# KiCad board GDI-4ch.kicad_pcb (continued)
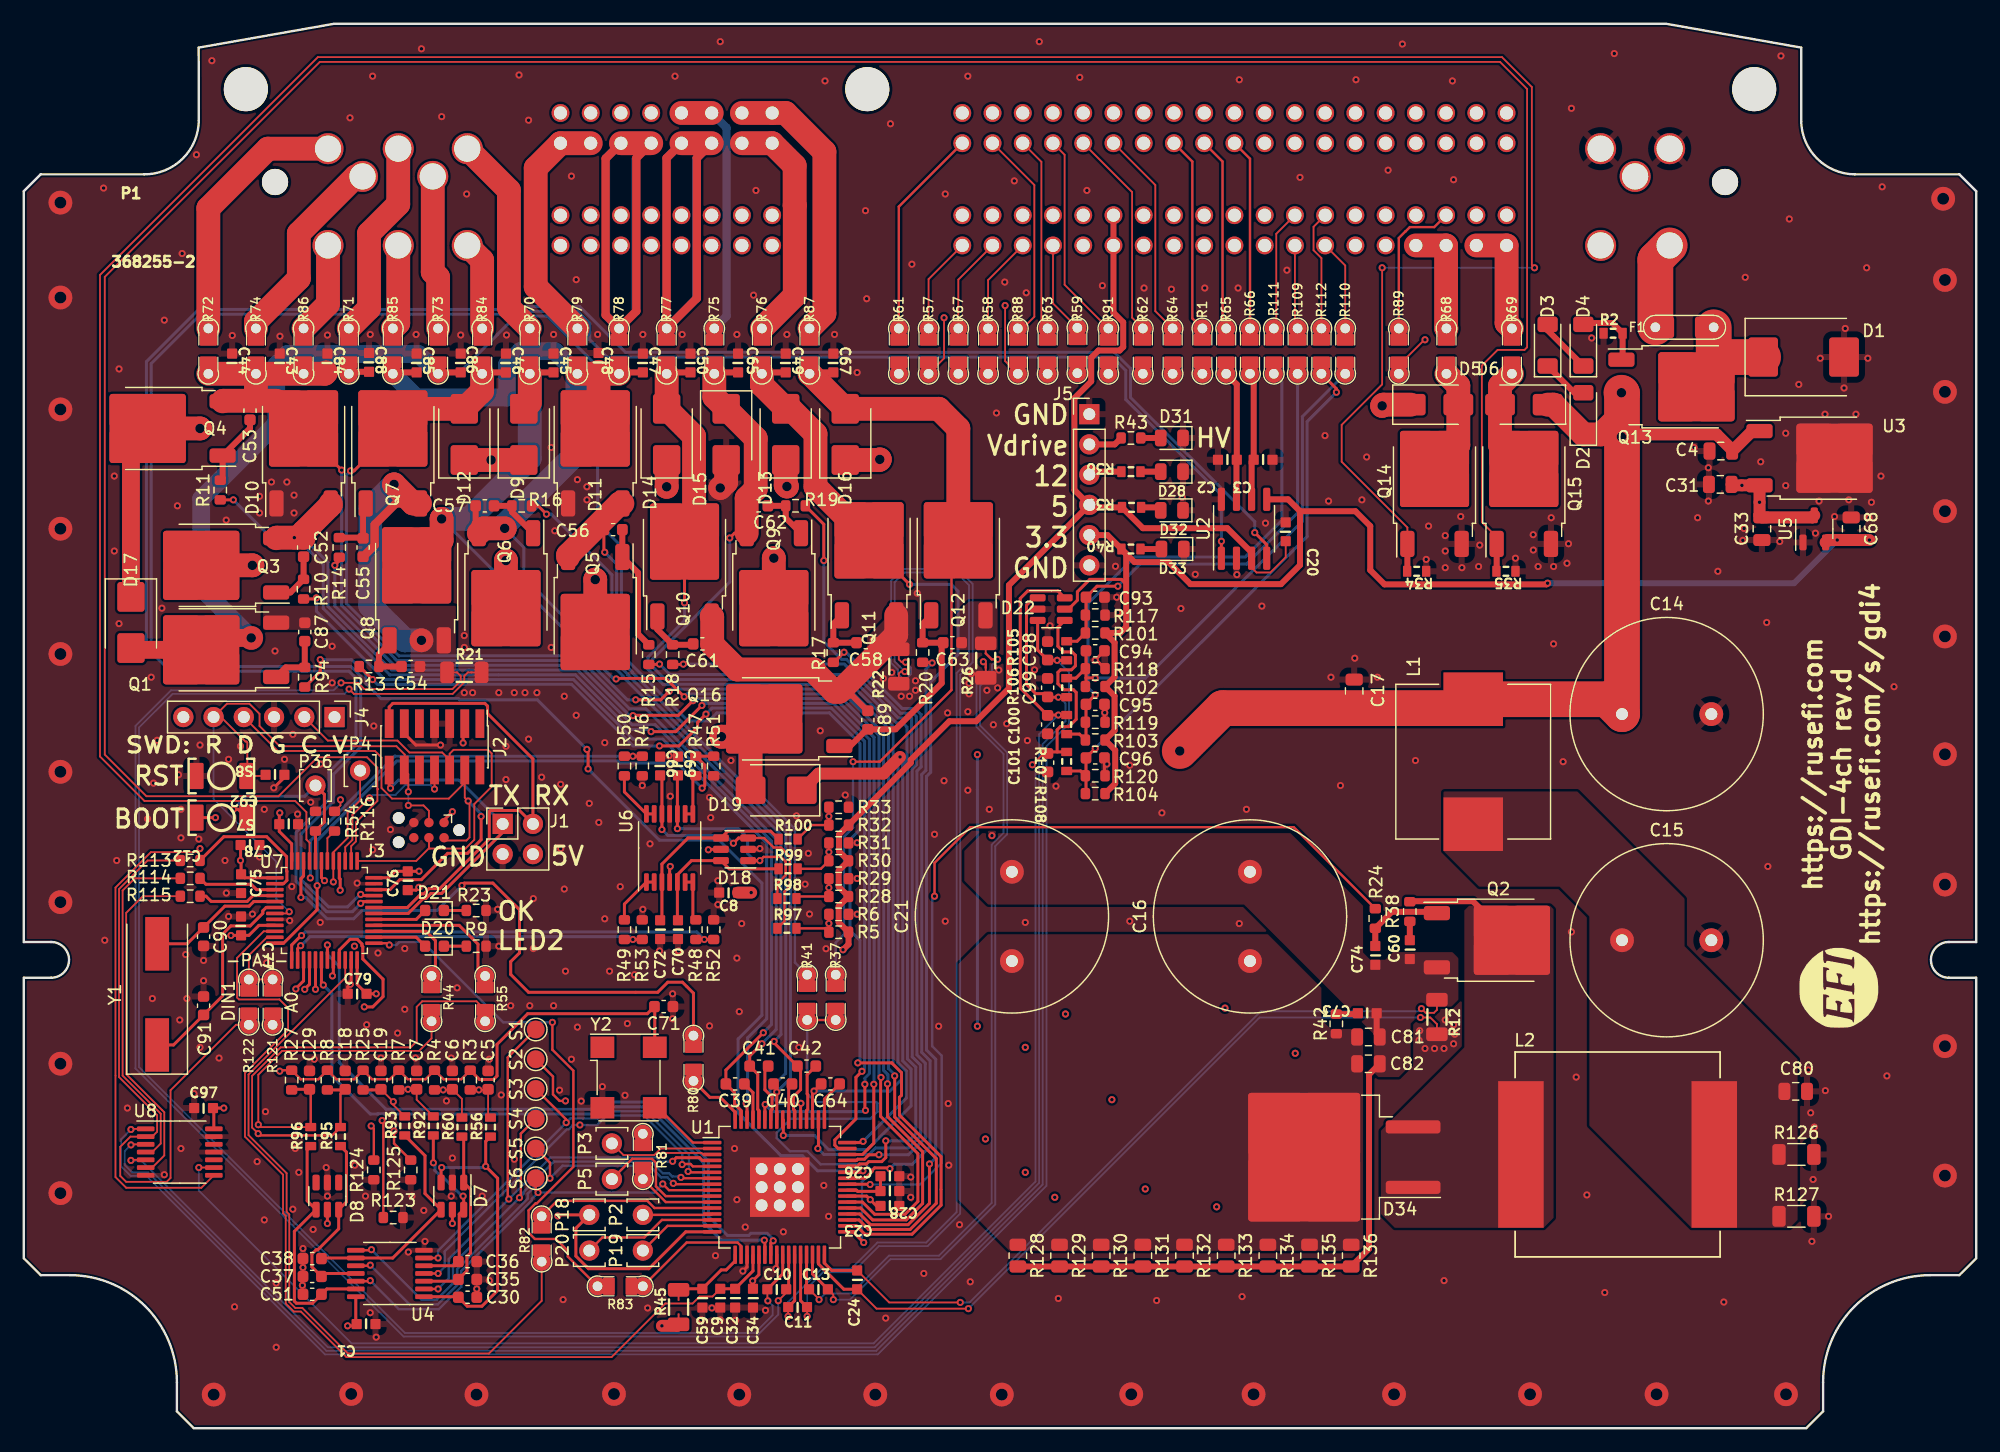
[diagram p0: board, top side]
## Routing (per net, layer and track width the routed paths; a pad name or vN(x,y) marks a point on that pad's centre or on a via; arc(x,y) is an arc through that point) (continued)
/CSB: length 48.8
  Top w0.2: P2.1 57.75,17.93 U1.13
  Top w0.25: U7.20 26,38.08 v1(25.92,38)
  PWR w0.25: P2.1 50.12,19.8 47.03,19.8 46.23,20.6 46.23,21.63 43.16,24.7 31.64,24.7 31.26,24.33 28.84,24.33 26.5,26.67 26.5,35.51 25.92,36.08 v1(25.92,38)
/DBG: length 45.9
  Top w0.2: v1(44.4,34.1) 44.4,31.8 46.16,30.04 46.16,21.96 43.1,18.9 43,18.9 42.4,18.3 42.4,16.43 42.93,15.9 44.7,15.9 45.7,14.9 45.7,14.42 R83.2 ; U7.25 30.55,40.75 v1(30.7,40.6)
  Bottom w0.2: v1(44.4,34.1) 40.27,34.1 33.52,40.85 31.55,40.85 31.3,40.6 v1(30.7,40.6)
/DIN1: length 54.7
  Top w0.15: R122.2 17.82,33.9 12.32,28.4 12.32,21.02 12,20.7 8.6,20.7 8.1,21.2 8.1,23.64 8.96,24.5 U8.2 10.78,24.5 11.2,24.92 11.2,26.3 8,29.5 8,45.3 10.4,47.7 R113.2
/DIN2: length 29.4
  Top w0.15: R114.2 9.32,46.2 8.3,45.18 8.3,29.62 11.5,26.42 11.5,23.92 10.78,23.2 U8.4
/DIN3: length 28.8
  Top w0.15: R115.2 10,44.7 8.6,43.3 8.6,29.75 11.8,26.55 11.8,22.92 10.78,21.9 U8.6
/DIN4: length 81.6
  Top w0.15: v1(14.8,48.7) 14.5,48.4 10.68,48.4 7.7,45.42 7.7,21.1 8.6,20.2 14.91,20.2 U8.8 ; R116.1 26.6,52.32 v1(26.6,52.8)
  PWR w0.15: v1(26.6,52.8) 27,52.4 29.5,52.4 30.28,53.18 30.28,59.3 28.75,60.82 15.49,60.82 14.8,60.13 14.8,58.14 15.32,57.62 15.32,49.22 v1(14.8,48.7)
/DRVEN: length 61.4
  Top w0.15: P3.1 50.37,22.95 52.96,22.95 53.51,23.5 U1.2
  Top w0.2: R123.1 30.2,25.75 v1(30.1,25.85)
  Top w0.25: U7.40 26.5,46.21 26.57,46.14 v1(26.57,45.2)
  PWR w0.25: P3.1 45.63,23.93 43.71,25.85 v1(30.1,25.85) 29.67,25.85 29.54,25.97 29.12,25.97 27.7,27.4 27.7,35.67 28,35.97 28,37.87 27.2,38.67 27.2,42.53 26.57,43.16 v1(26.57,45.2)
/FLAG_0: length 61.6
  Top w0.2: P5.1 51.1,22.63 52.77,22.63 53.1,22.3 53.1,20.32 53.92,19.5 U1.10 ; R125.1 31.1,23.93 v1(31.1,24.97)
  Top w0.25: v1(25.26,46.01) 25,46.26 U7.43
  PWR w0.25: v1(25.26,46.01) 25.26,43.34 26.4,42.2 26.4,38.34 26.5,38.24 26.5,37.76 26.32,37.59 26.32,36.25 26.9,35.67 26.9,26.83 29,24.73 30.85,24.73 v1(31.1,24.97) 31.23,25.1 43.33,25.1 47.5,20.93 P5.1
/FLAG_1: length 44.3
  Top w0.25: v1(28.6,35.4) 29.31,35.4 30.17,36.26 30.17,37.73 28.48,39.42 28.48,40.46 28.4,40.53 28.4,40.69 28.01,41.08 27.4,41.08 26.5,40.18 U7.21
  PWR w0.25: v1(28.6,35.4) 28.1,34.9 28.1,27.56 29.24,26.42 43.78,26.42 45.7,24.5 48.38,24.5 49.38,25.5 51.24,25.5 R81.2
/FLAG_2: length 61.5
  Top w0.15: 43.5,13.9 43.5,10.7 39.08,6.28 27.22,6.28 23.4,10.1 22.81,10.1 22.3,10.61 22.3,17.96 22.08,18.18 22.08,21.42 18.88,24.62 18.88,29.72 27,37.85 U7.22
/H1: length 105.4
  Top w0.25: v1(26.7,80.5) 23.5,83.7 D10.2 ; v1(62,32.3) 60.97,31.28 C41.2 61.65,29.75 61.65,26.79 61.75,26.69 U1.60
  Top w2: Q4.3 16.74,86.32 19,86.32 ; R72.2 25.27,88.6 25.39,88.71 ; R74.2 19.5,86.51 19.32,86.32 21.18,86.32 D10.2
  Bottom w0.25: v1(26.7,80.5) 26.7,69.13 31.33,64.5 31.67,64.5 46.83,64.5 50.89,60.44 52.26,60.44 63.2,49.5 63.2,33.5 v1(62,32.3)
/H3: length 113.8
  Top w0.25: v1(63.03,32.5) 63.03,32.37 C42.2 65.25,30.15 65.25,28.45 64.65,27.85 64.65,26.79 64.75,26.69 U1.54
  Top w0.5: R85.2 31.11,88.71 C85.2 ; R78.2 50.11,88.71 C47.2 ; Q6.3 37.95,75.47 C57.1
  Top w2: D11.2 48.28,84.28 C48.2 ; Q6.3 38.63,75.61 v3(40.39,75.61) ; R79.2 R78.2
  Bottom w0.25: v1(63.03,32.5) 63.6,33.07 63.6,49.87 50.33,63.14 50.33,63.19 42,71.52 42,74 v3(40.39,75.61)
  Bottom w1.5: R79.2 44.6,90.49 41.71,90.49 40.6,89.38 40.6,86.6 33,86.6 R85.2
  Bottom w2: R79.2 46.5,82 40.39,75.89 v3(40.39,75.61)
/H5PUMP: length 95.6
  Top w0.25: U1.51 66.25,28.2 v1(66.38,28.33) C64.2 ; v1(59.3,74.8) 59.7,75.2 Q11.3
  Top w0.5: R75.2 58.11,88.71 C65.2
  Top w2: R75.2 58,86.65 D15.1 61.48,83.17 61.48,78.9 60.72,78.14 Q11.3
  Bottom w0.25: v1(66.38,28.33) 72.75,28.33 73.73,29.3 73.73,29.84 73.03,30.54 73.03,58.97 69.1,62.9 53.89,62.9 52.83,63.96 52.83,64.63 59.3,71.1 v1(59.3,74.8)
/IN5: length 230.4
  Top w0.15: v1(19.69,24.75) 19.18,25.26 19.18,29.6 21.58,32 32.5,32 33,32.5 33,35.4 33.47,35.87 38.03,35.87 R55.1 ; v1(117.7,91.45) 117.65,91.45 115.75,89.55 R89.2 ; v1(82.43,94.33) 82.43,89.66 R88.2
  Top w0.2: v1(19.69,24.75) 19.84,24.6 25.9,24.6 R95.2 26.6,28.08 C18.2
  Top w0.25: R8.2 26.95,28.43 C18.2
  PWR w0.15: v1(19.69,24.75) 19.18,25.26 19.18,25.6 9.38,35.4 9.38,86.85 13.67,91.15 15.6,91.15 15.6,91.15 64.65,91.15 64.82,91.32 70.57,91.32 73.07,93.82 77.52,93.82 77.55,93.79 81.89,93.79 v1(82.43,94.33) 82.6,94.5 115.8,94.5 117.7,92.6 v1(117.7,91.45)
/IN6: length 180.3
  Top w0.15: R96.2 19.9,25.3 v1(19.7,25.5) 19.7,29.7 21.7,31.7 33.2,31.7 34.25,32.75 R44.1
  Top w0.2: R96.2 24.1,28.38 C29.2
  Top w0.25: R27.2 22.55,28.48 C29.2
  PWR w0.15: R91.2 90,89.7 86.71,89.7 85.4,91.02 64.94,91.02 64.77,90.85 13.8,90.85 9.68,86.73 9.68,35.52 v1(19.7,25.5)
/IN_A0: length 183.5
  Top w0.15: R6.1 v1(67.62,42.41) R5.2 ; R57.2 77.3,89.9 v1(77.3,93.3)
  Top w0.2: R5.2 67.3,42 R97.2
  PWR w0.15: v1(77.3,93.3) 77.49,93.49 82.33,93.49 83.04,94.2 115.1,94.2 117.18,92.12 117.18,91.23 117.51,90.9 135.27,90.9 137,89.17 137,59.04 114.59,36.63 80.97,36.63 75.19,42.41 v1(67.62,42.41)
/IN_A1: length 189.8
  Top w0.15: R29.1 v1(67.62,45.41) R28.2
  Top w0.2: R28.2 65.08,44.68 R98.2
  PWR w0.15: R67.2 80.4,86.7 92.23,86.7 93.01,87.48 93.01,89.07 93.62,89.68 94.42,89.68 95.1,89 95.1,88 95.8,87.3 97.12,87.3 97.9,88.08 97.9,89.23 98.25,89.58 134.89,89.58 136.1,88.37 136.1,59.41 114.21,37.53 81.37,37.53 70.82,48.08 70.82,49.53 68.12,52.24 67.28,52.24 66.7,51.65 66.7,46.34 v1(67.62,45.41)
/IN_A2: length 184.8
  Top w0.15: R30.2 v1(67.62,48.41) R31.1
  Top w0.2: R99.2 66.95,47 R30.2
  PWR w0.15: v1(67.62,48.41) 67,49.04 67,51.53 67.41,51.94 67.99,51.94 70.53,49.41 70.53,47.95 81.25,37.23 114.34,37.23 136.4,59.29 136.4,88.49 135.01,89.88 98.08,89.88 97.6,89.4 97.6,88.2 97,87.6 96,87.6 95.4,88.2 95.4,89.2 94.52,90.08 93.45,90.08 92.71,89.34 92.71,87.6 92.11,87 82.6,87 R58.2
/IN_A3: length 170.9
  Top w0.15: R32.2 v1(67.62,51.41) R33.1
  Top w0.2: R100.2 66.18,50.68 R32.2
  PWR w0.15: v1(67.62,51.41) 67.62,50.43 81.13,36.93 114.46,36.93 136.7,59.16 136.7,88.9 135.42,90.18 97.62,90.18 97.6,90.2 95.32,90.2 94.82,90.7 93.2,90.7 92.1,89.6 92.1,87.9 91.8,87.6 89.54,87.6 R59.2
/IN_DIN1: length 37.3
  Top w0.25: v1(91.9,70.75) 90.15,70.75 C93.2 89.22,66.87 R101.2 88.47,66.12 R105.2
  Bottom w0.25: v1(91.9,70.75) 93.75,72.6 102.7,72.6 107,76.9 R109.2
/IN_DIN2: length 42.5
  Top w0.25: C94.2 89.22,63.05 ; 89.22,63.05 89.97,63.05 v1(90,63.02) ; 89.22,63.05 89.22,62.37 R102.2 ; R118.2 88.38,63.02 R106.2
  Bottom w0.25: v1(90,63.02) 94.22,63.02 107.4,76.2 107.4,84.99 R110.2
/IN_DIN3: length 45.6
  Top w0.25: v1(90,61.62) 89.22,60.85 C95.2 89.22,57.87 R103.2 88.68,58.32 R107.2
  Bottom w0.25: R111.2 105.67,87.92 105.67,76.27 102.6,73.2 93.29,73.2 89.4,69.31 89.4,62.22 v1(90,61.62)
/IN_DIN4: length 46.3
  Top w0.25: R108.2 88.78,55.22 R120.2 ; R104.2 89.22,53.37 C96.2 89.22,56.35 v1(90,57.12) ; R112.2 110.26,87.34 v1(110.26,87.04)
  Bottom w0.25: v1(110.26,87.04) 107.8,84.58 107.8,74.92 v1(90,57.12)
/IN_INJ1: length 148.8
  Top w0.15: R3.2 v1(38.22,28.43) 38.95,28.43 C5.2 39,26.3 R56.2
  PWR w0.15: R61.2 72.28,89.82 65.49,89.82 65.32,89.65 14.65,89.65 10.9,85.9 10.9,72.5 19.95,63.45 27.82,63.45 29.8,61.47 36.42,61.47 39.7,58.2 39.7,53.75 41.6,51.85 41.6,31.8 v1(38.22,28.43)
/IN_INJ2: length 172.9
  Top w0.15: R60.2 36.8,27.68 C6.2 35.95,28.43 v1(35.22,28.43) R4.2
  PWR w0.15: R62.2 94,87.9 92.5,86.4 76.8,86.4 75.59,87.61 74.54,88.66 74.54,89.02 73.44,90.12 65.37,90.12 65.2,89.95 14.45,89.95 10.6,86.1 10.6,72.38 19.83,63.15 27.7,63.15 29.68,61.17 36.3,61.17 39.4,58.07 39.4,52.2 39,51.8 39,39.34 39.87,38.47 39.87,33.07 v1(35.22,28.43)
/IN_INJ3: length 163.7
  Top w0.15: R7.2 31.55,28.48 v1(32.28,28.48) C7.2 33,27.6 R92.2
  PWR w0.15: v1(32.28,28.48) 37.63,33.83 37.63,38.47 37.9,38.74 37.9,51.1 37.84,51.16 37.84,51.64 39.1,52.9 39.1,57.95 36.17,60.88 29.55,60.88 28.93,61.5 27.19,61.5 26.8,61.88 26.8,61.9 26.6,62.1 20.45,62.1 10.3,72.25 10.3,86.3 14.25,90.25 65.08,90.25 65.24,90.42 84.18,90.42 R63.2
/IN_INJ4: length 180.4
  Top w0.15: C19.2 v1(31.04,27.44) 31.04,27.16 R93.2
  Top w0.25: C19.2 29.95,28.43 R25.2
  PWR w0.15: R64.2 94.69,90.4 93.35,90.4 92.41,89.46 92.41,87.79 91.92,87.3 91.8,87.3 ; 91.8,87.3 91.8,87.3 ; 91.8,87.3 88.4,87.3 86.99,88.71 86.99,89 85.27,90.72 65.12,90.72 64.95,90.55 14.05,90.55 10,86.5 10,72.12 20.33,61.8 26.46,61.8 27.06,61.2 28.8,61.2 29.43,60.58 36.05,60.58 38.8,57.83 38.8,53.16 37.44,51.8 37.44,49.21 37.5,49.15 37.5,38.91 37.23,38.63 37.23,33.99 34.57,31.33 34.23,31.33 31.04,28.14 v1(31.04,27.44)
/IN_INJ5: length 18
  Top w0.15: 83.5,92 84.89,93.39 84.89,104.45 P1.45
/IN_INJ6: length 18.1
  Top w0.15: P1.47 87.43,106.99 87.43,96.07 91.5,92
/IN_PUMP: length 12.4
  Top w0.2: P1.41 118.47,100.92 116.43,100.92 116.08,100.57 116.07,100.57 115.5,100 R89.1
/IRQ: length 50.4
  Top w0.25: U7.46 23.5,46.4 23.28,46.18 v1(23.28,44.6) ; v1(36.8,45.6) 37,45.8 39.4,45.8 41.64,43.56 41.64,39.94 40.9,39.2 40.9,38.13 42.4,36.63 53.25,36.63 54.1,37.47 55.33,37.47 56.25,36.55 R80.2
  Bottom w0.25: v1(23.28,44.6) 23.67,44.6 25.47,42.8 27.7,42.8 28.4,43.5 34.7,43.5 v1(36.8,45.6)
/L1: length 118.4
  Top w0.25: v1(55.47,61.46) 53.93,63 49.8,63 v1(49.75,62.95) ; U1.38 70.45,19 71.47,17.98 74.03,17.98 75.1,19.05 75.1,23.07 71.97,26.2 71.97,29.44 v1(72,29.48)
  Top w0.5: R70.2 42.61,88.71 C45.2
  Top w2: v3(35.09,76.4) 35.09,74.59 Q8.2 ; D9.2 42.5,86.15 R70.2
  Bottom w0.25: v1(72,29.48) 71.83,29.65 71.83,58.21 68.33,61.7 55.71,61.7 v1(55.47,61.46) ; v3(35.09,76.4) 40.09,71.4 41.1,71.4 49.55,62.95 v1(49.75,62.95)
  Bottom w2: R70.2 42.5,81.5 37.4,76.4 v3(35.09,76.4)
/L2: length 127.4
  Top w0.25: v1(54.21,61.91) 53.5,61.2 v1(51.4,61.2) ; Q7.2 31,83.7 27.74,80.44 v1(27.45,80.44) ; U1.37 70.3,18.5 71.3,17.5 74.12,17.5 75.5,18.88 75.5,23.23 72.55,26.19 v1(72.55,28.93)
  Top w0.5: R84.2 38.61,88.71 C46.2
  Top w2: Q7.2 32.65,85.65 D12.2 38.5,87.15 R84.2
  Bottom w0.25: v1(51.4,61.2) 50.7,61.2 47,64.9 31.5,64.9 27.1,69.3 27.1,80.09 27.45,80.43 v1(27.45,80.44) ; v1(72.55,28.93) 72.58,28.96 72.58,29.71 72.23,30.06 72.23,58.37 68.5,62.1 54.4,62.1 v1(54.21,61.91)
/L3: length 90.5
  Top w0.25: v1(74.4,70.9) 71,74.3 Q9.2 ; U1.36 70.22,18 71.12,17.1 74.28,17.1 76.07,18.89 v1(76.07,22.2)
  Top w0.5: R76.2 62.11,88.71 C49.2
  Top w2: Q9.2 66.5,79.1 66.5,83.55 64.4,85.65 D13.2 62,87.65 R76.2
  Bottom w0.25: v1(76.07,22.2) 76.6,22.73 76.6,31 75.82,31.78 75.82,54.76 76.17,55.11 76.17,62.71 78.47,65.01 78.47,70.33 77.9,70.9 v1(74.4,70.9)
/L4: length 102
  Top w0.25: v1(73.15,29.6) 73.15,26.15 76.65,22.65 76.65,18.9 74.45,16.7 70.96,16.7 70.16,17.5 U1.35 ; Q10.2 v1(55.5,69.35)
  Top w0.5: C50.2 54.11,88.71 R77.2
  Top w2: R77.2 D14.2 56.3,83.35 56.3,75.3 Q10.2
  Bottom w0.25: v1(55.5,69.35) 55.5,67.87 52.43,64.79 52.43,63.77 53.7,62.5 68.93,62.5 72.63,58.81 72.63,30.23 73.15,29.7 v1(73.15,29.6)
/L5: length 173.8
  Top w0.25: U1.34 69.94,17 70.64,16.3 74.61,16.3 77.05,18.74 77.05,22.82 73.55,26.31 73.55,27.8 73.73,27.97 73.73,29.87 72.91,30.69 v1(70.06,30.69)
  Top w0.5: R73.2 34.91,88.71 C86.2
  Top w1.5: v3(19.1,66.4) 15.9,66.4 Q1.2 9.15,65.4 D17.2
  Bottom w0.25: R73.2 36.5,88.6 39.8,91.9 39.8,91.91 41.33,93.44 43.96,93.44 48.2,89.2 48.2,76.1 50.2,74.1 50.2,65.02 53.7,61.51 53.7,61.5 55.77,59.43 57.54,59.43 58.22,60.1 67.67,60.1 70.23,57.54 70.23,50.3 69.4,49.47 69.4,41.83 70.23,41 70.23,30.87 v1(70.06,30.69)
  Bottom w1.5: R73.2 33.14,90.26 22.13,90.26 21.2,89.32 21.2,84.4 14.9,78.1 14.9,70.6 v3(19.1,66.4)
/L6: length 120.3
  Top w0.5: R71.2 27.46,88.76 C88.2
  Top w2: v3(58.6,58.1) 60.7,58.1 Q16.2 61.05,58.45 D19.2
  PWR w2: v3(58.6,58.1) 58.86,58.36 58.86,62.94 55.85,65.95 46.7,65.95 44.75,64 30.25,64 26.25,68 20.9,68 19.2,69.7 17.6,69.7 14.8,72.5 14.8,79.6 12.15,82.25 12.15,85.1 13.7,86.65 25.52,86.65 27.3,88.43
  Bottom w0.2: R41.1 64.77,39.13 64.77,50.36 60.1,55.03 60.1,56.7 58.7,58.1 v3(58.6,58.1)
/L6PUMP: length 67.9
  Top w0.2: v1(69.66,56) 71.9,56 77.92,62.02 77.92,74.02 Q12.2
  Top w0.5: C67.2 66.11,88.71 R87.2
  Top w2: R87.2 66.06,88.6 D16.2 76.85,85.65 78.5,84 Q12.2
  Bottom w0.2: v1(69.66,56) 69.66,50.46 68.9,49.7 68.9,41.5 68.2,40.8 R37.1
/LED_GREEN: length 4.6
  Top w0.25: D21.2 32.96,42.75 U7.29
/LS1: length 250.1
  Top w0.15: U7.45 24,49.2 23.74,49.46 23.74,51.76 22.8,52.7 10.13,52.7 6.4,56.43 6.4,96.9 24.7,115.2 124.17,115.2 126.67,112.69 126.67,97.73 v1(126.9,97.5) ; v1(114.1,97.5) 114.1,87.7 110.7,84.3 110.7,81.2 116.22,75.68 Q14.1
  Top w0.5: Q14.1 116.22,72.02
  Bottom w0.15: v1(114.1,97.5) v1(126.9,97.5)
/LS2: length 246.8
  Top w0.15: U7.38 27.5,48.91 27.9,49.31 27.9,50.9 29.7,52.7 29.7,53.65 29.75,53.7 29.7,53.75 29.7,55.5 28.83,56.37 24.67,56.37 21.4,53.1 10.3,53.1 6.8,56.6 6.8,96.73 24.87,114.8 124,114.8 126.27,112.53 126.27,90.82 126.06,90.6 123.8,90.6 122.48,89.28 122.48,76.12 123.72,74.88 Q15.1
  Top w0.5: Q15.1 123.72,72.02
/MISO: length 57.7
  Top w0.2: U1.15 54.08,17 P19.1
  Top w0.25: U7.16 24,37.3 23.6,36.9 v1(23.6,36.87)
  PWR w0.25: v1(23.6,36.87) 23.6,26.27 26.34,23.53 31.6,23.53 31.97,23.9 42.83,23.9 45.43,21.3 45.43,15.4 47.03,13.8 50.88,13.8 P19.1
/MOSI: length 54.2
  Top w0.2: U1.14 53.6,17.5 52.12,16.02 48.6,16.02 P20.1
  Top w0.25: v1(24.5,36.87) U7.17
  PWR w0.25: v1(24.5,36.87) 26.1,35.27 26.1,26.5 28.67,23.93 31.43,23.93 31.8,24.3 42.99,24.3 45.83,21.46 45.83,16.59 P20.1
/nRESET: length 54.7
  Top w0.15: v1(22.29,43.39) 22.15,43.25 U7.7 ; J3.3 34.03,51.87 33.57,52.33 v1(32.3,52.33) ; C92.2 20.21,54.8 S8.1 18.77,54.87 18.77,57.63 18.7,57.7 18.61,57.7 16.56,59.75 J4.5 17.06,60.87 18.95,60.87 19.8,60.02 19.8,59 21.5,57.3 31.3,57.3 32,56.6 32,55.34 J2.12 32.3,54.96 v1(32.3,53.47)
  Bottom w0.15: J4.5 15.94,52.86 21.2,47.6 21.2,44.49 v1(22.29,43.39) ; v1(32.3,52.33) v1(32.3,53.47)
/OA_1: length 56.8
  Top w0.25: v1(25.16,37.23) 25,37.39 U7.18 ; v1(62.2,15.8) 62.25,15.75 U1.22
  Bottom w0.25: v1(62.2,15.8) 58.6,15.8 57.1,17.3 57.1,22.3 52.4,27 48.67,27 48.07,26.4 30.26,26.4 30.24,26.42 29.76,26.42 29.74,26.4 29.1,26.4 25.87,29.63 25.87,36.52 v1(25.16,37.23)
/OA_2: length 58.9
  Top w0.25: v1(62.95,15.75) 62.75,15.55 U1.23 ; v1(25.5,40.6) U7.19
  Bottom w0.25: v1(62.95,15.75) 62.95,15.86 62.44,16.37 61.07,16.37 60.9,16.2 59.1,16.2 57.5,17.8 57.5,22.47 52.57,27.4 48.5,27.4 47.9,26.8 30.42,26.8 26.5,30.73 26.5,38.8 25.5,39.8 v1(25.5,40.6)
/OUT_INJ1_N: length 17.3
  Top w2: R70.1 40.75,94.16 40.75,104.01 P1.114
/OUT_INJ1_P: length 16.8
  Top w2: R74.1 19.5,93 23.1,96.6 23.1,100.39 27.89,105.18 P1.118
/OUT_INJ2_N: length 7.5
  Top w2: P1.119 38.5,98.13 R84.1
/OUT_INJ2_P: length 7.8
  Top w2: R86.1 25.55,94.46 P1.121
/OUT_INJ3_N: length 20
  Top w2: P1.91 P1.90 64.75,106.08 64.75,102.75 64.76,102.74 64.76,95.17 R76.1
/OUT_INJ3_P: length 69
  Top w0.7: P1.95 48.87,106.68 48.87,93.53 R78.1 51.45,93.86 51.45,106.72 P1.94
  Top w2: P1.94 P1.95
  Bottom w0.7: P1.94 51.41,106.68 51.41,93.82 R78.1 48.91,93.49 48.91,106.72 P1.95
/OUT_INJ4_N: length 69
  Top w0.7: P1.93 53.99,106.72 53.99,92.41 R77.1 56.53,94.94 56.53,106.72 P1.92
  Top w2: P1.92 P1.93
  Bottom w0.7: P1.92 56.49,106.68 56.49,94.9 R77.1 53.99,92.41 53.99,106.72 P1.93
/OUT_INJ4_P: length 20.4
  Top w2: P1.96 P1.97 43,105.89 43,95.91 R79.1
/OUT_INJ5_N: length 13
  Top w2: R73.1 34.8,96.7 34.35,97.15 P1.117
/OUT_INJ5_P: length 22.2
  Top w2: P1.116 20.51,107.51 15.5,102.5 R72.1
/OUT_INJ6_N: length 16.8
  Top w2: R71.1 29,94.11 29,100.39 31.45,102.84 P1.115
/OUT_INJ6_P: length 7.2
  Top w2: R85.1 31.45,92.86 P1.120
/OUT_LS1: length 9.2
  Top w2: Q14.2 120.5,82.6 D5.2 120.5,87.6 R68.2
/OUT_LS2: length 9.2
  Top w2: Q15.2 124,82.6 D6.2 124,87.6 R69.2
/OUT_PUMP_N: length 23.6
  Top w2: P1.83 P1.82 63.99,110.51 67.25,107.25 67.25,93.66 R87.1
/OUT_PUMP_P: length 81.3
  Top w2: P1.84 P1.85
  PWR w0.7: R75.1 59.03,93.44 59.03,109.26 P1.84 ; R75.1 56,92.41 53.99,94.41 53.99,109.26 P1.85 56.53,109.22 56.53,93.87 R75.1
  Bottom w0.7: P1.84 59.03,109.26 59.03,93.44 R75.1
/RESETB: length 65.3
  Top w0.15: U1.3 57.06,23 56.93,23.13 53.87,23.13 v1(53.7,22.95) ; P4.1 28.25,52.75 27.2,51.7 27.2,49.59 26,48.39 U7.41 v1(26,45.9)
  Top w0.2: v1(29.18,25.39) 29.4,25.17 R124.1
  PWR w0.15: v1(53.7,22.95) 53.55,22.8 46.19,22.8 43.49,25.5 30.88,25.5 30.78,25.5 30.61,25.32 29.25,25.32 v1(29.18,25.39) 27.3,27.27 27.3,35.84 26.72,36.41 26.72,37.42 26.9,37.6 26.9,38.4 26.8,38.5 26.8,42.37 26,43.17 v1(26,45.9)
/SCLK: length 60.9
  Top w0.25: v1(44.86,17.83) 44.95,17.93 P18.1 46.38,16.8 46.38,14.46 47.43,13.4 52.5,13.4 55.6,16.5 U1.16 ; U7.15 23.5,37.59 22.85,36.94 v1(22.85,36.9)
  PWR w0.25: v1(22.85,36.9) 22.92,36.83 22.92,26.38 26.17,23.13 31.76,23.13 32.13,23.5 42.66,23.5 44.86,21.31 v1(44.86,17.83)
/START1: length 45.4
  Top w0.2: S1.1 40.65,31.15 40.65,19.35 v1(40.74,19.26) ; U4.2 v1(34.8,11.7)
  Top w0.25: v1(54.5,22.43) 54.8,22.73 56.76,22.73 56.99,22.5 U1.4
  Bottom w0.2: v1(34.8,11.7) 35.7,12.6 35.7,14.21 v1(40.74,19.26) 44.24,22.75 53.12,22.75 53.47,22.4 54.48,22.4 v1(54.5,22.43)
/START2: length 40.2
  Top w0.2: S2.1 44.45,29.55 44.45,28.05 45,27.5 v1(45.5,27.5) ; U4.4 v1(34.8,13) ; v1(55.3,22.15) 55.3,22.2 56,22.2 56.2,22 U1.5
  PWR w0.2: v1(46.71,25.48) 46.71,26.29 v1(45.5,27.5)
  Bottom w0.2: v1(34.8,13) 35.35,13.55 35.35,14.85 45.62,25.12 45.79,25.12 46.11,25.45 46.11,25.48 48.16,25.48 48.96,26.28 52.1,26.28 55.3,23.08 v1(55.3,22.15)
/START3: length 36.6
  Top w0.2: v1(55.8,21.57) 55.87,21.5 U1.6 ; v1(45.56,25.67) 45.56,25.94 S3.1 ; U4.6 v1(34.8,14.3)
  Bottom w0.2: v1(34.8,14.3) 34.8,14.91 45.91,26.03 48.22,26.03 48.82,26.63 52.24,26.63 55.87,23 55.87,21.65 v1(55.8,21.57)
/START4: length 45.3
  Top w0.2: U1.7 55.27,21 v1(55.2,21.07) ; U4.8 29.15,14.95 v1(29.2,15) ; v1(41.63,19.37) 41.75,19.48 41.75,24.75 S4.1
  Bottom w0.2: v1(55.2,21.07) 55.13,21.15 54.47,21.15 54.2,21.42 53.68,21.42 52.7,22.4 44.53,22.4 41.98,19.85 41.98,19.71 36.05,13.78 36.05,12.17 34.68,10.8 33.4,10.8 v1(29.2,15)
/START5: length 40.8
  Top w0.2: v1(44.2,21) 44.2,22.3 S5.1 ; v1(54.55,20.57) 54.63,20.5 U1.8 ; v1(29.1,13.7) 29.05,13.65 U4.10
  Bottom w0.2: v1(29.1,13.7) 32.4,10.4 34.77,10.4 36.4,12.03 36.4,13.36 42.33,19.29 42.33,19.71 42.97,20.35 43.55,20.35 45.25,22.05 52.55,22.05 53.53,21.07 54.06,21.07 v1(54.55,20.57)
/START6: length 37.7
  Top w0.2: U1.9 54.2,20 v1(53.67,20.52) ; U4.12 29.05,12.35 v1(29.1,12.4) ; S6.1 43,20 v1(43.2,19.8)
  Bottom w0.2: v1(29.1,12.4) 31.5,10 34.87,10 36.75,11.88 36.75,13.21 42.68,19.14 42.68,19.28 v1(43.2,19.8) 52.95,19.8 v1(53.67,20.52)
/SWCLK: length 39.9
  Top w0.15: J4.2 25.53,57.78 31.39,57.78 32.39,56.77 35.14,56.77 35.77,56.15 J2.6 35.77,56.67 36.1,57 39,57 39.3,56.7 39.3,53.9 37.84,52.44 37.84,49.44 37.1,48.7 34.1,48.7 34.03,48.77 J3.4 34.03,48.73 32.96,47.66 U7.37
/SWDIO: length 47.1
  Top w0.15: J3.2 35.53,49.38 37.18,49.38 37.44,49.64 37.44,52.58 37.04,52.98 J2.4 37.04,54.24 35.7,52.9 30.93,52.9 30.05,53.79 30.05,56.35 29.5,56.9 21.33,56.9 J4.4
  Top w0.25: v1(38.41,51.4) 38.41,49.45 37.27,48.3 35.6,48.3 33.39,46.09 31.59,46.09 30.75,45.25 U7.34
  Bottom w0.25: v1(37.33,52.7) 38.41,51.61 v1(38.41,51.4)